# KiCad board HermEIS.kicad_pcb (continued)
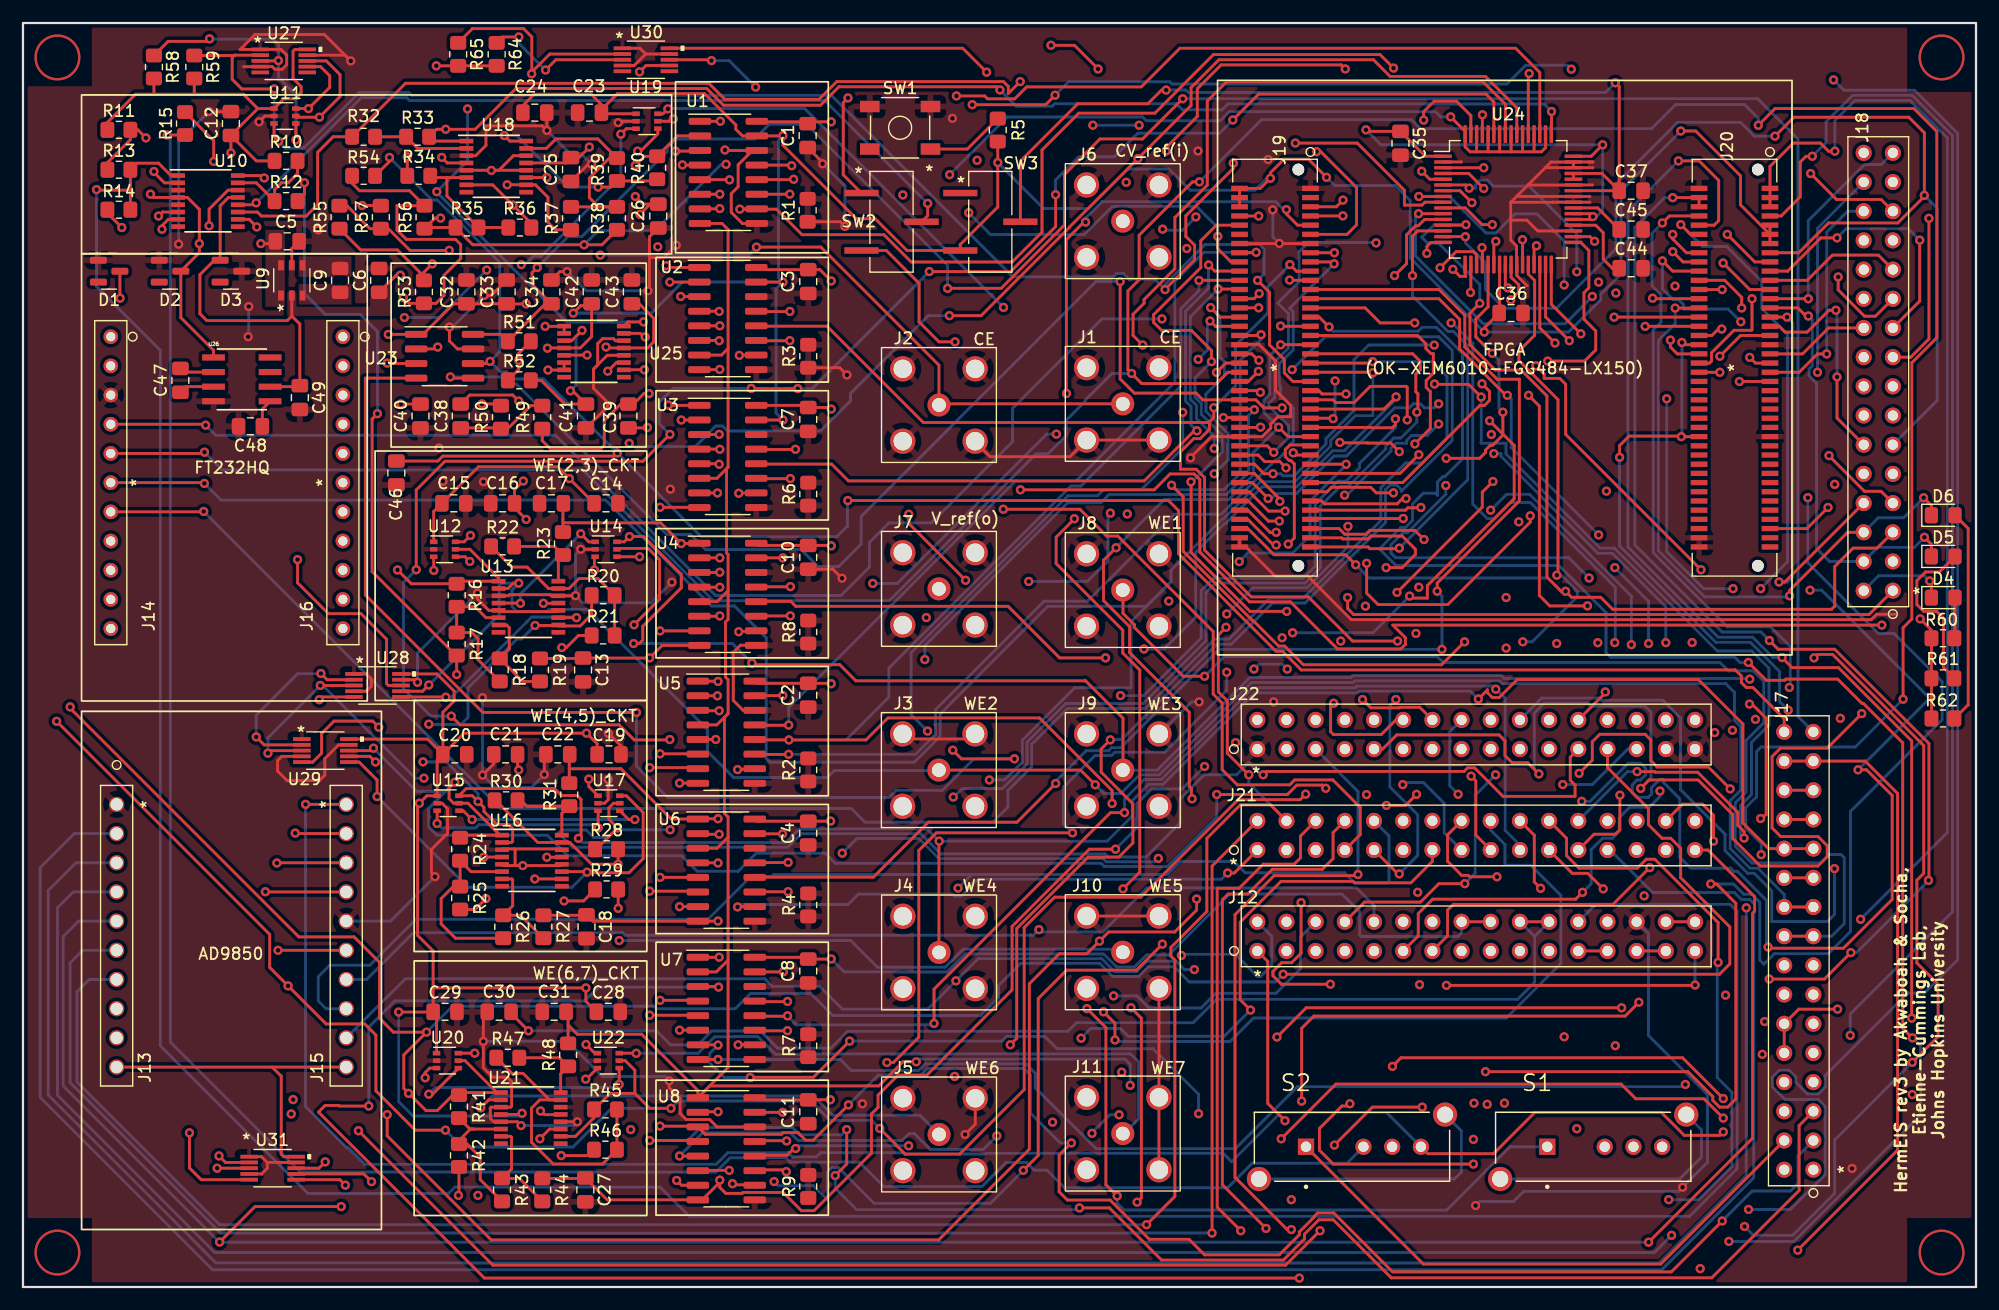
[diagram p0: board, top side]
## Routing (per net, layer and track width the routed paths; a pad name or vN(x,y) marks a point on that pad's centre or on a via; arc(x,y) is an arc through that point) (continued)
/G20: length 97.5
  Top w0.25: J19.64 107.17,70.8 109.4,68.58 v2(109.4,68.37) ; v2(128.2,91) 128.03,90.83 128.03,88.98 ; v2(116.6,51.13) 117.33,50.4 119.8,50.4 119.85,50.45 121.58,50.45 J22.B7 ; v2(119.6,60.45) 127.02,67.88 127.02,69.18 v2(127.95,70.1)
  In1.Cu w0.25: v2(128.2,91) 129.47,92.28 131.6,92.28 132.97,90.9 132.97,86.71 132.47,86.21 132.47,82 133.7,80.77 133.7,75.85 v2(127.95,70.1)
  In2.Cu w0.25: J22.B7 122.68,56.92 121.25,58.35 116.72,58.35 116.05,59.02 116.05,59.8 116.5,60.25 119.4,60.25 v2(119.6,60.45) ; v2(109.4,68.37) 108,66.97 108,61.84 116.6,53.24 v2(116.6,51.13)
/G22: length 78.8
  Top w0.25: 129.53,88.98 129.53,87.88 130.2,87.21 130.2,86.6 v2(129.5,85.9) ; J19.66 107,70 v2(108.39,68.62)
  In1.Cu w0.25: v2(116.85,59.25) 114.7,59.25 112.39,61.56 112.39,66.75 110.08,69.05 109.12,69.05 108.68,68.62 v2(108.39,68.62) ; v2(129.5,85.9) 129.5,79 124.6,74.1 122.6,74.1 122.5,74.2 122.5,76.13 v2(123.23,76.86)
  In2.Cu w0.25: v2(116.85,59.25) 124.45,59.25 127.45,56.25 127.45,49.66 J22.B9
  Bottom w0.25: v2(108.39,68.62) 108.68,68.62 109.12,69.05 110.85,69.05 114.13,72.33 115.21,72.33 119.4,76.51 120.68,76.51 121.03,76.86 121.63,76.86 121.98,76.51 122.88,76.51 v2(123.23,76.86)
/H21: length 63.7
  Top w0.25: 125.53,88.98 125.53,88 125.58,87.95 125.08,87.95 v2(124.46,88.56) ; J19.59 110.76,72.4 v2(110.56,72.6) ; v2(119.8,72.7) 119.06,73.44 117.07,73.44 117.04,73.47 114.63,73.47 v2(114.63,73.5)
  In1.Cu w0.25: v2(119.8,72.7) 119.25,73.25 119.25,74.34 117.96,75.63 117.96,76.86 120.23,79.14 120.23,79.74 119.23,80.74 119.23,83.6 120.26,84.63 122.29,84.63 124.46,86.8 v2(124.46,88.56) ; v2(114.63,73.5) 114.62,73.5 113.72,72.6 v2(110.56,72.6)
  In2.Cu w0.25: J22.B2 109.98,53.02 109.95,53.05 109.75,53.05 109.33,53.48 109.33,53.68 107.17,55.83 107.17,57.62 106.33,58.47 106.33,61.34 105.06,62.6 105.06,66.26 108.15,69.36 109.37,69.36 110.63,70.61 110.63,72.53 v2(110.56,72.6)
/H22: length 64.4
  Top w0.25: 126.53,88.98 126.53,89.82 126.25,90.1 124.75,90.1 v2(123.35,88.7) ; J19.61 115.16,71.6 v2(115.17,71.6)
  In1.Cu w0.25: v2(123.35,88.7) 118.51,88.7 116.76,86.96 116.76,72.61 115.74,71.6 v2(115.17,71.6)
  In2.Cu w0.25: J22.B4 115.06,50.85 114.25,51.66 114.25,54.32 110.52,58.05 109.72,58.05 107.62,60.15 107.62,61.59 107.13,61.59 106,62.72 106,62.99 v2(105.87,63.13)
  Bottom w0.25: v2(105.87,63.13) 106.61,63.87 110.52,63.87 112.03,65.39 112.03,68.39 115.17,71.53 v2(115.17,71.6)
/J20: length 100.6
  Top w0.25: J19.77 112.07,65.2 114.78,65.2 114.88,65.1 117.07,65.1 117.32,65.36 120.05,65.36 121.2,64.2 121.2,63.75 120.05,62.6 v2(118.65,62.6) ; J18.A4 161.74,69.24 160.29,69.24 157.2,72.34 v2(157.2,72.35) ; v2(119.39,88.02) 120.43,89.06 120.43,91.57 121.22,92.36 121.45,92.36 122,92.91 U24.12
  In1.Cu w0.25: v2(118.65,62.6) 118.65,62.84 116.85,64.64 116.85,66.59 ; v2(119.39,88.02) 118.79,87.41 118.79,78.55 117.45,77.21 117.45,75.5 118.8,74.15 118.8,72.78 116.85,70.83 116.85,66.17 117.25,65.78 122.25,65.78 122.62,65.41 132.96,65.41 136.81,69.26 v2(137.83,69.26)
  In2.Cu w0.25: v2(137.83,69.26) 137.89,69.2 141.35,69.2 144.5,72.35 v2(157.2,72.35)
/J22: length 88.2
  Top w0.25: v2(119.8,64.3) 119.75,64.25 117.24,64.25 117.08,64.4 J19.79 ; v2(120.95,88.02) 120.95,91.45 121.41,91.91 U24.14
  In1.Cu w0.25: J18.A5 161.25,69.24 159.54,69.24 154.6,64.3 v2(119.8,64.3)
  Bottom w0.25: v2(120.95,88.02) 120.95,86.23 124.03,83.16 124.51,83.16 125.75,81.91 125.75,70.25 v2(119.8,64.3)
/JTAG_TCK: length 220.3
  Top w0.25: v2(114.9,94.59) 114.32,94.01 J19.5 ; v2(109.85,14.48) 108.35,15.98 108.35,28.34 J12.A1
  In1.Cu w0.25: v2(165.2,26.3) 168.65,29.75 168.65,97.7 159.15,107.2 138.7,107.2 136.75,105.25 134.97,105.25 128.92,99.2 120.58,99.2 115.97,94.59 v2(114.9,94.59)
  In2.Cu w0.25: v2(109.85,14.48) 119.38,14.48 120.25,15.35 121.97,13.63 124.35,13.63 125.22,14.5 143.34,14.5 145.44,12.4 148.8,12.4 150.35,13.95 155.95,13.95 156.87,14.87 156.87,15.64 163.91,22.68 164.7,22.68 165.2,23.17 v2(165.2,26.3)
/JTAG_TDI: length 173.9
  Top w0.25: v2(121.8,15.66) 117.46,15.66 v2(114.15,12.35) ; v2(90.83,77.76) 90.82,77.77 90.82,91.15 92.35,92.67 v2(92.49,92.67) ; v2(109.97,93.76) 109.97,93.38 110.94,92.41 J19.9
  In1.Cu w0.25: v2(121.8,15.66) 121.8,15.04 124.84,12 127.3,12 127.45,12.15 v2(127.45,15.9)
  In2.Cu w0.25: J12.A4 127.45,16.86 v2(127.45,15.9) ; v2(114.15,12.35) 114.15,8.95 112.05,6.85 106.81,6.85 102.62,11.05 100.79,11.05 96.5,15.33 96.5,16.45 94.67,18.29 94.67,19.14 92.84,20.97 91.82,20.97 85.93,26.85 85.93,40.73 82.45,44.22 82.45,45.75 84.26,47.56 84.26,48.64 88.23,52.62 88.23,75.16 v2(90.83,77.76)
  Bottom w0.25: v2(92.49,92.67) 92.49,93.02 93.92,94.45 109.04,94.45 109.73,93.76 v2(109.97,93.76)
/JTAG_TDO: length 87.1
  Top w0.25: v2(107.56,93.2) 105.9,93.2 J19.8
  In1.Cu w0.25: v2(116.95,42.85) 119.31,42.85 121.4,40.76 v2(121.4,34.35) ; v2(107.56,93.2) 107.56,91.37 108.44,90.49 108.44,88.32 112.16,84.6 113.6,84.6 116.21,81.99 116.21,72.64 115.25,72.64 114.48,71.88 114.48,71.31 116.44,69.36 116.44,64.47 117.97,62.94 117.97,60.16 v2(121.25,56.88)
  In2.Cu w0.25: v2(116.95,42.85) 118.28,44.18 118.96,44.18 121.65,46.87 121.65,56.48 v2(121.25,56.88) ; J12.A3 113.75,30.48 113.75,32.75 115.35,34.35 v2(121.4,34.35)
/JTAG_TMS: length 231.2
  Top w0.25: v2(114.89,93.22) 114.88,93.21 J19.7
  In1.Cu w0.25: v2(126.25,12.85) 126.3,12.9 v2(126.3,16) ; v2(114.89,93.22) 115.84,93.22 120.41,97.79 122.03,97.79 123.47,96.35 132.1,96.35 140.8,105.05 v2(157.6,105.05)
  In2.Cu w0.25: J12.A2 109.98,28.22 110.9,27.3 114.15,27.3 125.45,16 v2(126.3,16) ; v2(150.2,6.75) 141,6.75 137.35,10.4 130.6,10.4 128.15,12.85 v2(126.25,12.85)
  Bottom w0.25: v2(157.6,105.05) 158.5,104.15 164.64,104.15 168.4,100.39 168.4,28.47 165.5,25.58 164.04,25.58 156.87,18.4 156.87,17.41 156.27,16.81 155.32,16.81 154.33,17.8 154.33,18.25 153.73,18.85 152.88,18.85 152.28,18.25 152.28,17.41 153.37,16.31 156.27,16.31 156.87,15.71 156.87,9.79 153.83,6.75 v2(150.2,6.75)
/K18: length 27.5
  Top w0.25: v2(149.4,78.8) 149.4,78.8 J20.43
  In1.Cu w0.25: v2(149.4,78.8) 148.8,79.4 148.8,87.28 J18.B16
/K20: length 219.2
  Top w0.25: v2(107.58,80.65) 107.52,80.65 106.96,81.21 J19.38 ; v2(85.94,21.08) 86.5,21.64 86.5,31.21 92.71,37.42 95.38,37.42 96.61,38.64 96.61,42.04 93.85,44.8 93.85,46.82 v2(94.64,47.61)
  In1.Cu w0.25: v2(101.96,27.63) 101.96,28.76 108.25,35.05 117.95,35.05 118.8,35.9 118.8,39.23 J21.B6
  In2.Cu w0.25: v2(110.47,79.84) 110.06,80.25 107.98,80.25 v2(107.58,80.65) ; v2(85.94,21.08) 85.71,21.08 81.22,25.57 81.22,26.64 81.22,26.64 v2(81.21,26.65)
  Bottom w0.25: J15.9 33.28,26.83 64.58,26.83 65.23,26.17 69.34,26.17 71.32,24.19 78.75,24.19 v2(81.21,26.65) 83.14,28.58 93.89,28.58 95.03,27.44 96.92,27.44 97.84,28.36 100.36,28.36 101.09,27.63 v2(101.96,27.63) ; v2(110.47,79.84) 110.48,79.84 113.34,82.69 123.22,82.69 124.4,81.51 124.4,73.67 119.97,69.24 119.97,69.39 119.57,69.8 119,69.8 118.6,69.39 118.6,66.53 111.6,59.52 108.76,59.52 105.18,55.94 103.92,55.94 95.62,47.64 94.67,47.64
/K21: length 66.9
  Top w0.25: v2(126,86.55) 126.03,86.58 126.03,88.98 ; v2(109.94,71.28) 109.39,71.83 108.08,71.83 107.51,72.4 J19.60
  In1.Cu w0.25: v2(123.23,75.1) 126,77.87 v2(126,86.55) ; v2(115.04,68.91) 113.88,70.07 111.15,70.07 v2(109.94,71.28)
  In2.Cu w0.25: v2(110.05,53.78) 110.1,53.83 110.1,53.85 110.43,53.52 110.43,51.44 J22.B3 ; v2(107.15,53.78) 105.88,55.05 105.88,61.15 104.52,62.51 104.52,66.36 107.93,69.77 108.77,69.77 109.94,70.94 v2(109.94,71.28)
  Bottom w0.25: v2(110.05,53.78) 109.63,54.2 107.57,54.2 v2(107.15,53.78) ; v2(115.04,68.91) 115.23,68.91 119.08,72.76 119.08,73 119.5,73.42 120.43,73.42 120.43,73.67 120.86,74.1 122.23,74.1 123.23,75.1 v2(123.23,75.1)
/K22: length 63.4
  Top w0.25: J19.62 107.2,71.6 107.2,71.61 108.03,70.77 v2(108.81,70.77) ; 127.03,88.98 127.03,90.42 v2(127,90.45)
  In1.Cu w0.25: v2(122.84,81.97) 122.84,84.54 125.55,87.25 125.67,87.25 127,88.58 v2(127,90.45) ; v2(114.7,56.21) 107.49,63.42 107.49,70.35 107.91,70.77 v2(108.81,70.77)
  In2.Cu w0.25: v2(114.7,56.21) 117.6,53.31 J22.B5
  Bottom w0.25: v2(122.84,81.97) 117.12,81.97 115.85,80.7 115.85,76.24 115.82,76.24 113.42,73.84 113.42,73.35 110.66,70.6 109.66,70.6 109.48,70.77 v2(108.81,70.77)
/L17: length 20.2
  Top w0.25: J20.41 154.6,79.6 156.2,81.2 v2(157,81.2)
  Bottom w0.25: v2(157,81.2) 157,91.8 158.82,93.62 J18.B14
/L19: length 64.5
  Top w0.25: v2(122.2,89.95) 122.2,90.55 122.55,90.91 U24.16 ; J19.58 108.3,73.2 v2(108.87,72.64)
  In1.Cu w0.25: v2(117.78,90.87) 121.29,90.87 v2(122.2,89.95)
  In2.Cu w0.25: J22.B1 107.44,52.26 104.03,55.67 104.03,58.96 104.07,59 104.07,67.41 108.87,72.21 v2(108.87,72.64)
  Bottom w0.25: v2(117.78,90.87) 117.74,90.9 111.89,90.9 111.08,90.09 111.08,87.49 109.22,85.63 110.15,84.7 110.15,81.71 108.95,80.51 108.95,77.41 108.44,76.9 108.44,76.65 108.53,76.56 108.55,76.56 110.17,74.94 110.17,73.94 v2(108.87,72.64)
/L20: length 168.9
  Top w0.25: v2(119.46,75.55) 119.46,75.05 119.19,74.78 117.36,74.78 117.33,74.8 J19.53
  In2.Cu w0.25: v2(95.53,51.47) 96.05,50.95 96.05,47.89 93.73,45.57 90.67,45.57 88.42,43.32 88.42,31.11 v2(88.43,31.1)
  Bottom w0.25: J15.7 29.91,26.76 33.98,30.84 52.18,30.84 52.4,30.62 87.95,30.62 v2(88.43,31.1) 88.63,30.9 94,30.9 97.82,34.73 116.08,34.73 117.6,33.2 J12.B5 ; v2(95.53,51.47) 97.55,51.47 102.56,56.48 102.56,60.6 103.63,61.67 111.43,61.67 112.48,62.72 112.48,68.15 114.46,70.13 115.17,70.13 116.34,71.29 116.34,71.68 119.46,74.8 v2(119.46,75.55)
/M17: length 29.7
  Top w0.25: v2(147.9,86.8) 145.9,86.8 J20.24
  In1.Cu w0.25: J18.A15 164.3,97.7 164.3,99.7 163,101 160.9,101 147.9,88 v2(147.9,86.8)
/M18: length 55.2
  Top w0.25: 166.12,60.08 166.12,61.29 v2(165.97,61.45) ; J20.26 141.89,86.01 v2(141.85,86.05)
  In1.Cu w0.25: v2(148.85,60.77) 150.2,59.43 159.05,59.43 J18.B1
  In2.Cu w0.25: v2(143.07,77.3) 140.47,79.9 140.47,84.68 v2(141.85,86.05)
  Bottom w0.25: v2(148.85,60.77) 146.3,60.77 143.07,64 v2(143.07,77.3) ; J18.B1 161.52,61.9 165.52,61.9 v2(165.97,61.45)
/N16: length 66.2
  Top w0.25: J20.22 148.12,87.61 149.6,86.13 v2(149.6,85.2) ; U24.4 125.85,96.91 v2(127.15,95.6)
  In1.Cu w0.25: J18.A13 161.25,92.6 154.9,92.6 149.6,87.3 v2(149.6,85.2) ; v2(127.15,95.6) 128.67,94.08 147.12,94.08 147.2,94.15 149.75,91.6 149.75,91.51 149.37,91.13 149.37,91.13 148.09,89.86 147.71,89.86 144.95,87.1 v2(143.8,87.1)
  In2.Cu w0.25: v2(143.8,87.1) 145.6,85.3 149.5,85.3 v2(149.6,85.2)
/N22: length 215.9
  Top w0.25: v2(104.48,75.66) 105.84,75.66 J19.52 ; J15.6 v2(22.2,29.3) ; v2(125.5,35.1) 123.25,35.1 121.65,33.5 116.77,33.5 J12.B4
  In1.Cu w0.25: J12.B4 113.8,30.53 113.8,28.5 111.5,26.2 107.1,26.2 102.5,21.6 97.06,21.6 95.23,19.77 89.54,19.77 89.54,16.1 89.62,16.02 v2(89.62,14.35) ; v2(129.1,60) v2(129.1,55.6)
  In2.Cu w0.25: v2(128.18,44.58) 129.1,45.5 v2(129.1,55.6) ; v2(22.2,29.3) 22.2,7.1 26.6,2.7 85.9,2.7 88.7,5.5 88.7,11.8 89.62,12.72 v2(89.62,14.35) ; v2(104.48,75.66) 109.99,75.66 110,75.65 110.5,75.65 111.35,74.8 115.26,74.8 118.99,71.07 120.1,71.07 123.35,67.83 123.35,66.29 129.1,60.54 v2(129.1,60)
  Bottom w0.25: v2(128.18,44.58) 126.4,42.8 126.4,36 v2(125.5,35.1)
/P17: length 63.2
  Top w0.25: v2(121.5,94.9) 123.6,94.9 U24.8 ; J20.20 143.59,88.41 v2(142.7,89.3) ; J18.A11 161.25,84.48 160.29,84.48 158,86.78 v2(158,87.9)
  In1.Cu w0.25: v2(158,87.9) 155.8,87.9 153,85.1 150.62,85.1 v2(149.52,84)
  In2.Cu w0.25: v2(142.7,89.3) 136.95,89.3 136,88.35 136,87.7 135.5,87.2 v2(134.15,87.2)
  Bottom w0.25: v2(142.7,89.3) 142.7,86.86 143.65,85.91 144.11,85.91 144.54,85.49 144.54,85.1 148.42,85.1 v2(149.52,84) ; v2(121.5,94.9) 124.18,94.9 127.35,91.73 128.2,91.73 129.86,93.39 131.78,93.39 134.15,91.02 v2(134.15,87.2)
/P18: length 54.2
  Top w0.25: J18.B3 158.83,65.68 158.7,65.55 ; D6.1 166.12,68.01 v2(165.44,68.69) ; 158.73,65.58 153.78,60.63 v2(153.78,60.15) ; J20.28 145.88,85.19 v2(143.81,85.19)
  Bottom w0.25: 152.7,60.05 153.68,60.05 v2(153.78,60.15) ; v2(165.44,68.69) 163.7,66.95 161.49,66.95 J18.B3 ; 152.65,60.05 146.39,60.05 142.35,64.09 142.35,82.2 142.4,82.25 142.4,82.43 143.81,83.84 v2(143.81,85.19)
/P21: length 444.6
  Top w0.25: R65.1 39.12,109.51 43.57,109.51 44.29,108.79 44.29,105.59 v2(44.28,105.58) 44.28,105.72 45.86,107.3 U30.2 ; v2(48.98,18.09) 49.04,18.09 U22.3 ; v2(52.04,100.32) 52.52,100.8 U19.3 ; U29.2 21,47.18 v2(20.3,47.87) ; U12.3 35.75,62.37 v2(35.76,62.36) ; U20.3 35.4,19.05 34.99,18.64 34.99,18.2 35,18.21 v2(35.01,18.21) ; v2(50.07,39.96) 50.07,40.35 ; J19.45 112.79,78 113.08,77.72 v2(115.17,77.72) ; 36.05,41.45 v2(36.05,40.34) ; U28.2 26.47,52.85 v2(25.93,53.39) ; U31.2 17.63,10.84 v2(17.06,11.41) ; U14.3 49.74,63.49 v2(49.74,62.39) ; 50.07,40.39 50.07,41.43 50.05,41.45
  In1.Cu w0.25: v2(35.76,62.36) 31.72,66.4 31.72,77.4 33.2,78.88 v2(33.2,84.37) ; v2(52.04,100.32) 52.04,100.61 52.11,100.61 52.54,101.03 52.54,102.45 55.44,105.35 68.45,105.35 72.5,101.3 74.3,101.3 79.5,106.5 87.1,106.5 88.05,105.55 ; v2(40.36,88.5) 40.83,88.97 v2(43.38,88.97) ; 88.05,105.55 88.33,105.28 94.47,105.28 94.47,102.13 98.48,98.13 100.95,98.13 100.95,93.3 101.85,92.4 105.95,92.4 108.02,90.32 108.02,89.76 108,89.73 108,88.15 114.96,81.19 114.96,77.92 v2(115.17,77.72) ; 88.05,105.55 88.15,105.45 88.15,68.27 90.7,65.72 100.92,65.72 101.98,64.66 101.98,59.56 103.24,58.3 103.24,57.24 105.98,54.5 135.5,54.5 136.52,53.48 136.52,41.97 J21.B13 ; v2(23.51,16.31) 21.96,16.31 v2(17.06,11.41)
  In2.Cu w0.25: v2(35.76,62.36) 26.79,53.39 v2(25.93,53.39) ; v2(35.76,62.36) 49.71,62.36 v2(49.74,62.39) ; v2(35.76,62.36) 36.08,62.04 36.08,51.03 36.71,50.41 37.58,50.41 38.01,49.98 38.01,45.37 36.87,44.23 36.87,42.49 37.53,41.82 v2(36.05,40.34) 36.05,41.58 34.8,42.83 34.12,42.83 33.78,42.48 33.78,19.45 v2(35.01,18.21) ; v2(52.04,100.32) 46.95,100.32 44.28,103 v2(44.28,105.58) ; v2(35.01,18.21) 34.43,18.79 33.26,18.79 31.5,17.03 24.23,17.03 v2(23.51,16.31) ; v2(35.01,18.21) 35.58,17.65 48.54,17.65 v2(48.98,18.09)
  Bottom w0.25: v2(52.04,100.32) 52.04,96.65 45.08,89.69 44.38,89.69 43.66,88.97 v2(43.38,88.97) ; v2(36.05,40.34) 36.44,39.96 39.39,39.96 39.67,40.23 49.8,40.23 v2(50.07,39.96) ; v2(40.36,88.5) 36.23,84.37 v2(33.2,84.37) ; v2(25.93,53.39) 25.92,53.38 23.92,53.38 20.3,49.76 v2(20.3,47.87)
/P22: length 85.9
  Top w0.25: v2(147.15,38.8) 147.15,41.05 146.18,42.02 144.45,42.02 J21.B15 ; v2(151.25,40.77) 151.36,40.77 151.73,41.14 151.73,49.5 150.5,50.73 v2(150.28,50.73) ; v2(120.49,75.46) 120.49,78.29 120.4,78.38 117.27,78.38 115.86,76.97 114.27,76.97 114.03,77.2 J19.47
  In1.Cu w0.25: v2(120.49,75.46) 120.32,75.29 120.32,73.22 120.53,73.01 120.53,72.37 121.51,71.39 124.31,71.39 127.11,74.19 v2(127.81,74.19)
  In2.Cu w0.25: v2(150.28,50.73) 150.27,50.74 149.74,50.74 146.28,54.2 136.94,54.2 136.11,55.03 136.11,57.39 136.04,57.46 136.04,57.47 131.54,61.97 131.49,61.97 129.47,63.98 129.47,72.53 v2(127.81,74.19) ; v2(147.15,38.8) 148.52,38.8 150.49,40.77 v2(151.25,40.77)
/R19: length 39.4
  Top w0.25: v2(138.5,84.4) 138.51,84.41 J20.30
  In1.Cu w0.25: v2(138.5,84.4) 138.5,76.5 144.3,70.7 144.36,70.76 J18.B5
/R20: length 380.3
  Top w0.25: 51.95,41.45 52.72,40.68 v2(53.26,40.68) ; J19.46 107.57,78 v2(107.71,77.86) ; v2(35.33,16.78) 35.66,16.78 37.9,19.02 U20.4 ; U12.4 38.48,63.55 v2(38.89,63.14) ; v2(45.49,105.91) 46.38,106.8 U30.3 ; 37.95,41.45 38.32,41.45 v2(39.09,40.68) ; R64.1 41.74,108.78 v2(43.16,108.78) ; v2(53.67,63.55) U14.4 ; v2(53.5,98.85) 53.51,98.86 53.78,98.86 53.78,98.87 55.26,100.35 U19.4 ; v2(25.88,52.35) 25.88,52.35 U28.3 ; U29.3 21.54,46.68 v2(21.32,46.46) ; U22.4 51.9,17.64 v2(51.89,17.63) ; U31.3 v2(16.9,10.34)
  In1.Cu w0.25: v2(16.9,10.34) 18.63,10.34 v2(23.35,15.06) ; v2(53.26,40.68) 53.26,22.48 54.28,21.46 54.28,18.95 52.96,17.63 v2(51.89,17.63) ; v2(55.25,90.52) 55.25,97.1 v2(53.5,98.85) ; v2(107.71,77.86) 108.12,77.86 108.77,78.52 108.77,80.49 107.15,82.11 107.09,82.11 106.82,82.39 101.49,82.39 100.38,83.5 100.38,87.87 101.98,89.47 101.98,91.03 98.82,94.2 97.9,94.2 96.03,96.07 v2(96.03,96.13) ; v2(38.89,63.14) 38.6,62.85 38.6,47.98 33.78,43.16 33.78,41.8 34.5,41.07 38.7,41.07 v2(39.09,40.68)
  In2.Cu w0.25: v2(35.33,16.78) 35.33,16.87 34.45,17.75 32.86,17.75 31.58,16.48 24.76,16.48 v2(23.35,15.06) ; v2(45.49,105.91) 44.84,106.56 43.04,106.56 39.5,103.02 39.5,97.23 41.86,94.88 50.16,94.88 50.38,94.65 52.58,96.85 52.58,97.93 v2(53.5,98.85) 55.11,98.85 58.89,102.63 70.91,102.63 74.32,99.22 93.77,99.22 96.03,96.97 v2(96.03,96.13) ; v2(55.25,90.52) 54.8,90.07 54.8,87.33 55.12,87 55.12,79.51 53.62,78.01 53.62,63.6 v2(53.67,63.55) 53.26,63.14 v2(38.89,63.14) ; v2(107.71,77.86) 107.87,78.03 109.58,78.03 109.84,77.76 113.67,77.76 119.45,71.97 120.59,71.97 124.25,68.31 124.25,66.66 134.31,56.6 134.31,54.23 136.54,52 136.54,43.96 139.93,40.57 J21.B14
  Bottom w0.25: v2(21.32,46.46) 21.32,47.79 v2(25.88,52.35) 26.09,52.35 34.16,44.28 v2(34.9,44.28) ; v2(43.16,108.78) 43.16,108.22 45.47,105.91 v2(45.49,105.91) ; v2(39.09,40.68) v2(53.26,40.68) ; v2(51.89,17.63) 51.62,17.37 35.91,17.37 v2(35.33,16.78)
/Ref_generator/B_in: length 87.5
  Top w0.25: U27.8 26.4,106.7 27.6,105.5 27.6,103.6 v2(25.8,101.8) 23.85,101.8 U11.5 ; SW2.1 71.4,96.78 71.4,103.07 v2(71.81,103.48) ; v2(12.1,92.05) 12.1,92.36 12.65,92.91 U10.7
  In1.Cu w0.25: v2(12.1,92.05) 13.14,92.05 22.89,101.8 v2(25.8,101.8) 50.75,101.8 54.95,106 69.29,106 v2(71.81,103.48)
/Ref_generator/W_in: length 36.8
  Top w0.25: R14.2 7.35,93.45 v2(8.6,92.2) ; R15.2 16.6,99.75 v2(16.6,97.95) ; U27.7 25.9,106.2 26.7,105.4 26.7,104.4 v2(24.85,102.55) U11.6 ; v2(11.8,93.2) 12.15,93.55 U10.6
  In1.Cu w0.25: v2(8.6,92.2) 10.8,92.2 v2(11.8,93.2) 16.55,97.95 v2(16.6,97.95) 18.4,97.95 23,102.55 v2(24.85,102.55)
/Rin_scl: length 413.7
  Top w0.25: v2(147.55,28.25) 147.55,31.72 142.04,37.23 141.3,37.23 140.52,36.45 135.45,36.45 134.36,37.54 134.36,39.05 J21.B11 ; U27.2 18.43,107.2 ; 18.43,107.2 18.4,107.17 R59.1 ; 18.43,107.2 18.21,106.98 18.21,105.1 19.05,104.26 v2(21.86,104.26) ; v2(22.25,99.7) 21.85,100.1 U11.3 ; v2(105.35,97.8) 105.35,97.35 101.22,93.22 101.22,91.42 101.98,90.66 101.98,89.39 99.41,86.82 v2(99.41,86.79) ; v2(107.46,87.61) 108.51,86.56 108.51,81.99 109.79,80.7 109.79,79.55 110.54,78.8 J19.43
  In2.Cu w0.25: v2(143.25,7.6) 157.95,7.6 167.55,17.2 167.55,99.4 159.3,107.65 134.18,107.65 131.33,104.8 100.53,104.8 98.61,106.73 87.6,106.73 86.08,105.2 86.08,104.58 88.83,101.83 101.52,101.83 105.35,98 v2(105.35,97.8)
  Bottom w0.25: v2(21.86,104.26) 21.86,100.09 v2(22.25,99.7) 22.85,99.1 24.41,99.1 29.26,103.95 33.59,103.95 33.84,103.7 70.38,103.7 86.17,87.91 94.94,87.91 95.22,88.19 95.78,88.19 96.25,87.72 98.49,87.72 v2(99.41,86.79) 99.41,87.25 102.89,90.73 107.62,90.73 108.02,90.32 108.02,88.17 v2(107.46,87.61) ; v2(147.55,28.25) 147.47,28.18 147.47,18.23 148.75,16.95 148.75,10.49 145.86,7.6 v2(143.25,7.6)
/Rin_sda: length 230.8
  Top w0.25: v2(16.24,108.62) 16.02,108.4 12.63,108.4 R58.1 ; v2(107.54,79.69) 106.65,78.8 J19.44 ; U11.4 v2(23.75,99.82) ; v2(22.23,106.73) 22.21,106.7 U27.3 ; v2(140.5,44.85) 142.01,44.85 142.06,44.8 145.77,44.8 149.26,41.31 149.26,40.19 149.81,39.64 v2(149.81,39.07) ; v2(126.92,77.45) 125.82,78.55 122.9,78.55 v2(122.87,78.58)
  In2.Cu w0.25: v2(23.75,99.82) 24.97,99.82 32.17,107.02 58.61,107.02 62.56,103.08 71.1,103.08 73.82,100.35 102.35,100.35 103.23,99.47 103.23,91.16 100.93,88.86 100.93,84.73 101.5,84.16 101.5,82.61 102.29,81.82 103.91,81.82 104.85,80.89 105.27,80.89 106.47,79.69 v2(107.54,79.69) 107.75,79.48 109.87,79.48 110.19,79.15 113.4,79.15 114.26,80.01 115.86,80.01 117.22,78.65 122.8,78.65 v2(122.87,78.58)
  Bottom w0.25: v2(140.5,44.85) 139.66,44.85 J21.B12 ; v2(23.75,99.82) 23.77,99.84 23.77,103.72 22.23,105.26 v2(22.23,106.73) 22.23,108.13 21.76,108.6 16.26,108.6 v2(16.24,108.62) ; v2(149.81,39.07) 149.5,39.38 149.5,41.9 150.45,42.85 150.45,47.39 151.97,48.91 151.97,53.85 150.48,55.35 147.48,55.35 138.53,64.3 137.27,64.3 129.09,72.48 129.09,73.43 126.92,73.43 v2(126.92,77.45)
/SIN_1: length 209
  Top w0.25: v2(148,16.4) 144.45,19.95 119.95,19.95 v2(119.2,19.2) ; v2(23.7,39.5) 23.74,39.46 J15.2
  In1.Cu w0.25: v2(23.7,39.5) 24.66,38.54 24.66,13.74 31.7,6.7 71.4,6.7 72.4,7.7 72.4,9 74.19,7.22 91.32,7.22 91.68,7.57 92.24,7.57 92.6,7.22 95.51,7.22 96.62,8.32 97.18,8.32 98.4,7.11 107.72,7.11 109.65,9.04 116.02,9.04 S2.3
  In2.Cu w0.25: v2(148,16.4) 149.43,17.83 J17.B4 ; v2(119.2,19.2) 104.92,19.2 101.64,15.92 101.64,14.8 102.82,13.63 117.76,13.63 S2.3
/SIN_2: length 168.2
  Top w0.25: v2(148,13.5) 147.7,13.2 144.6,13.2 142.6,15.2 131.6,15.2 128,11.6 122.29,11.6 S2.4 ; J15.1 v2(24.6,42)
  In2.Cu w0.25: v2(148,13.5) 149.79,15.29 J17.B3
  Bottom w0.25: v2(24.6,42) 24.6,15.7 28.2,12.1 28.26,12.17 29.75,10.68 60.34,10.68 61.35,11.69 66.59,11.69 66.96,11.33 69.07,11.33 69.43,11.69 76.66,11.69 76.79,11.57 83.76,11.57 83.83,11.63 104.47,11.63 105.2,10.9 109.5,15.2 118.69,15.2 S2.4
/SQ_1: length 246.7
  Top w0.25: J15.4 21.12,34.38 v2(21.1,34.4)
  In1.Cu w0.25: v2(110.4,7.6) 110.3,7.6 109.3,6.6 109.3,4.93 106.47,2.1 9.3,2.1 1.6,9.8 1.6,44.4 5.2,48 17,48 20.6,44.4 20.6,34.9 v2(21.1,34.4)
  In2.Cu w0.25: J22.A2 109.98,45.38 108.2,43.6 98.02,43.6 97.29,42.88 97.29,20.99 101.23,17.04 101.23,14.63 104.37,11.5 107.43,11.5 110.4,8.53 v2(110.4,7.6)